# Altium PCB STM32MP25XXAK_LPDDR4_ascii.PcbDoc (part 3 of 5) (continued)
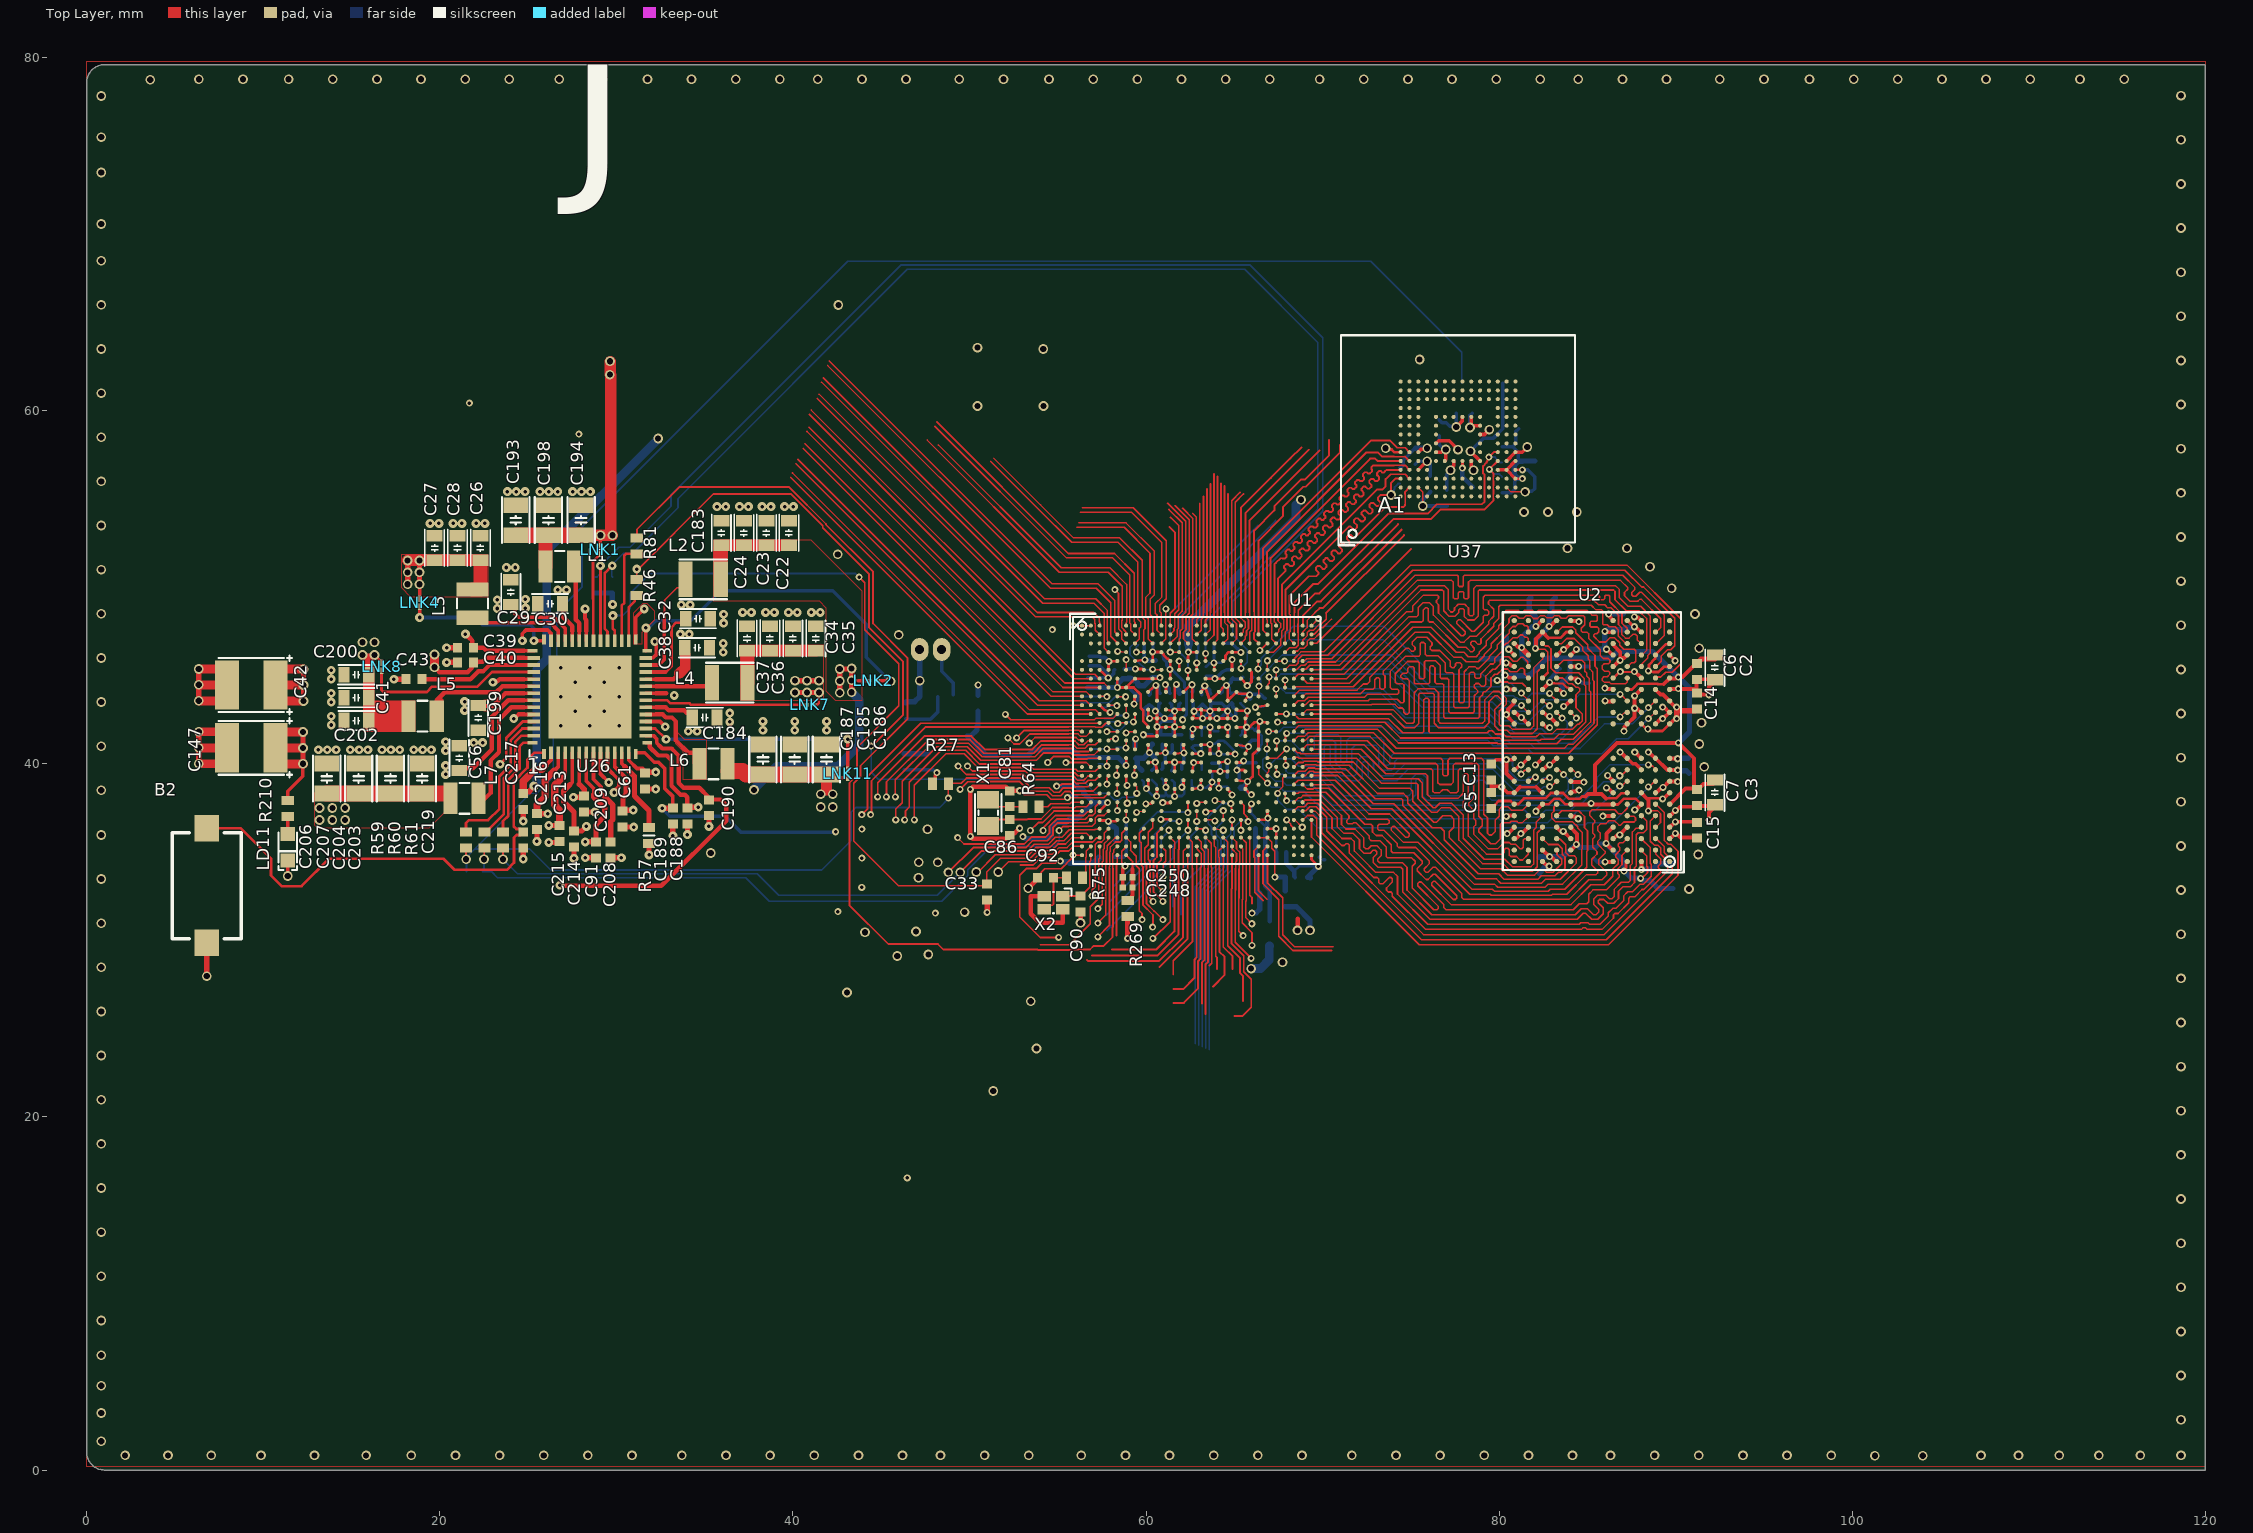
[diagram p0: Top Layer view]
## Nets (pads, with @x,y where several pads share a name; then routed paths per layer and width w, separated by ;. In a path a pad name is that pad's centre, name@x,y a point inside that pad or via, vN(x,y) a via of type N, cw(c..) or ccw(c..) an arc to the next point about the centre after c; other vN are vias at no path point) (continued)
  Top Layer w0.5: v1@6.353,40.006 C147.2@7.936,40.006 ; v1@6.353,40.906 C147.2@7.936,40.906 ; v1@6.353,41.818 C147.2@7.936,41.818 ; v1@6.353,43.568 C42.2@7.936,43.568 ; v1@6.353,44.468 C42.2@7.936,44.468 ; v1@6.353,45.38 C42.2@7.936,45.38
  Bottom Layer w0.1: C8.2@83.459,45.39 83.459,45.438 C8.2@83.461,45.44
  Bottom Layer w0.15: v2(59.931,45.892) v2@59.935,45.896 ; C57.1@62.592,39.603 62.683,39.694 62.683,40.058 v2(62.7,40.075) 63.066,40.075 63.154,39.987 C60.1@63.154,39.672 ; v2(62.875,45.725) 62.875,46.219 62.95,46.294 C195.1@62.95,46.787 ; C52.1@63.162,41.607 63.162,41.944 63.293,42.075 v2(63.625,42.075) 63.844,41.856 C53.1@64.083,41.856 ; C67.1@63.4,45.5 63.586,45.686 63.807,45.686 v2@63.859,45.738 ; v2(63.85,45.725) 64.278,45.725 C69.1@64.305,45.752 ; v2@63.85,45.775 C239.1@63.85,46.787 ; v2(64.625,42.075) 64.706,41.994 C54.1@64.706,41.579 ; 68.39,33.919 68.669,34.197 v2(69.768,34.197)
  Bottom Layer w0.2: v2(55.55,38.085) 55.663,38.198 C234.1@56.064,38.198 ; C237.1@56.696,44.88 C236.1@57.345,44.88 ; C192.1@56.8,45.55 C201.1@57.375,45.55 57.825,45.1 57.825,44.912 v2(57.862,44.875) 57.862,44.894 57.881,44.914 57.974,44.914 58.163,45.103 58.163,45.282 C197.1@58.216,45.334 ; C236.1@57.35,44.875 v2(57.862,44.875) ; C240.1@59.05,44.3 59.37,43.98 59.484,43.98 59.534,43.93 C220.1@59.534,43.856 ; v2(59.325,43.4) 59.325,43.408 59.534,43.617 59.534,43.781 C220.1@59.609,43.856 C220.1@59.534,43.931 ; v2@59.902,45.948 C205.1@59.902,46.829 ; C45.1@60.173,43.895 60.235,43.957 60.235,44.124 60.248,44.137 60.248,44.139 60.551,44.442 v2(60.558,44.442) ; C71.1@60.34,39.635 60.491,39.786 60.491,40.066 v2(60.525,40.1) ; v2@60.624,44.485 60.726,44.383 60.726,44.075 C51.1@60.813,43.988 ; C72.1@60.905,39.698 60.956,39.749 60.956,40.021 61.092,40.157 v2(61.092,40.638) ; C46.1@60.915,41.105 60.915,40.815 v2(61.092,40.638) ; v2@61.132,44.466 61.132,44.444 61.302,44.274 61.302,44.062 C49.1@61.377,43.987 ; C73.2@61.467,39.624 61.542,39.699 61.542,39.952 61.625,40.035 v2(61.625,40.089) ; C47.2@61.476,41.081 61.476,40.694 61.42,40.638 v2(61.092,40.638) ; C74.1@62.03,39.683 62.03,39.955 62.15,40.075 v2(62.15,40.625) 62.038,40.737 C48.1@62.038,41.107 ; C63.1@62.581,44.08 62.636,44.08 62.636,44.483 v2@62.625,44.494 ; C62.2@63.156,43.924 63.156,44.24 v2(63.328,44.412) 63.366,44.374 63.421,44.374 63.6,44.195 63.6,44.059 C65.2@63.675,43.984 ; C59.1@63.714,40.036 64.111,40.036 64.198,39.949 v2(64.198,39.575) ; C68.1@64.239,43.997 64.314,44.072 64.314,44.284 64.437,44.408 64.548,44.408 v2@64.586,44.446 ; C58.1@64.607,39.247 64.607,40.125 v2(64.625,40.143) ; C66.1@64.915,44.871 C66.1@64.84,44.796 ; C76.1@65.274,39.198 65.274,39.526 v2(65.15,39.65) 65.169,39.669 65.169,39.809 v2(65.53,40.17) 65.557,40.17 65.677,40.05 C77.2@66.25,40.05 ; C82.1@65.352,41.053 65.433,40.972 v2(65.806,40.972) 65.844,41.01 65.844,41.178 66.016,41.35 C75.1@66.205,41.35 ; C238.1@65.483,44.894 65.385,44.796 64.915,44.796 C66.1@64.84,44.796 ; R1.1@66.751,43.72 66.701,43.72 66.601,43.82 66.601,43.828 66.484,43.946 65.886,43.946 65.865,43.925 65.851,43.939 65.436,43.939 65.375,44 C64.1@64.85,44 64.804,44 64.8,43.996 64.725,44.071 64.725,44.307 v2@64.586,44.446 ; C118.1@75.26,56.98 75.425,57.145 v1(75.925,57.145) 76.11,56.96 C148.1@76.11,56.305 ; C9.1@76.615,59.48 76.77,59.325 77.008,59.325 77.208,59.126 77.529,59.126 v1(77.575,59.08) C117.1@77.575,59.864 ; C130.1@77.027,55.505 77.027,56.407 v1(77.25,56.63) ; v2(81.325,56.655) 81.615,56.655 C128.1@82.015,56.255 82.015,55.592 81.858,55.435 81.505,55.435 v1(81.475,55.405) ; v2@64.586,44.446 64.623,44.446 64.84,44.663 C66.1@64.84,44.796
  Bottom Layer w0.22: v4@82.825,44.749 82.814,44.76 83.291,45.236 83.291,45.295 83.386,45.39 C8.2@83.459,45.39 ; v4(82.86,44.615) 82.893,44.649 v4@82.893,44.777 ; v4(84.509,45.523) 84.511,45.525 C21.2@85.109,45.525
  Bottom Layer w0.25: C253.1@67.941,34.367 68.39,33.919 68.39,33.638 C251.1@68.44,33.588 ; C253.1@67.941,34.385 C246.1@67.941,34.986
  Bottom Layer w0.3: C88.1@46.382,43.465 46.439,43.522 46.897,43.522 47.189,43.814 CN12.2@47.189,46.897 ; C87.1@50.485,43.888 v2(50.485,44.466) ; v2(57.872,36.74) 57.891,36.721 57.891,36.682 58.133,36.44 58.216,36.44 C244.1@58.325,36.331 58.325,35.675 C235.1@58.275,35.625 ; C70.2@59.775,39.625 59.506,39.894 59.506,40.25 59.456,40.3 C225.1@59.425,40.3 59.451,40.326 59.886,40.326 v2(60.198,40.638) ; v2@59.902,45.948 59.931,45.919 v2(59.931,45.892) 59.958,45.892 60,45.85 C196.1@60.525,45.85 ; C44.2@60.351,41.105 60.217,40.971 60.217,40.657 v2(60.198,40.638) ; v2(60.525,40.1) 60.506,40.119 60.506,40.33 v2(60.198,40.638) ; v2(61.725,44.505) 61.725,44.478 61.75,44.453 61.75,44.284 61.875,44.159 61.875,44.025 C50.1@61.9,44 ; C55.1@62.6,41.475 62.604,41.479 62.604,41.901 62.65,41.948 v2(62.65,41.975) ; v2@65.889,43.718 v2@65.889,43.969 ; v2@65.984,31.527 v2(66.003,31.546) 66.023,31.565 66.243,31.565 66.449,31.771 66.449,32.645 66.258,32.836 66.258,34.855 66.2,34.914 C252.1@66.2,36.324 ; 69.301,33.541 69.259,33.583 69.16,33.583 69.75,34.173 69.769,34.192 69.788,34.173 v2@69.829,34.173 ; v1(75.5,62.9) v1@75.51,62.91 ; R42.1@78.986,45.955 80.087,45.955 80.287,45.754 v4@80.314,45.754 ; v4@81.241,46.521 81.279,46.559 C12.2@81.279,47.149 ; 81.28,46.368 81.299,46.349 81.299,46.152 81.604,45.847 C4.2@81.63,45.847 ; C12.2@81.311,47.18 C12.2@81.279,47.149 ; C10.1@81.786,49.415 81.709,49.338 81.709,48.715 82.025,48.399 C16.2@82.025,48.374 ; C16.2@81.984,48.415 C16.2@82.025,48.374 ; v4(82.085,47.79) 82.084,48.315 C16.2@82.025,48.374 ; v4@82.086,47.784 82.067,47.765 81.871,47.765 81.279,47.174 C12.2@81.279,47.149 ; C19.2@82.26,33.805 82.285,33.805 82.39,33.91 82.39,33.962 82.566,34.138 82.741,34.138 82.798,34.195 v4@82.833,34.195 ; v4@86.211,48.484 86.214,48.487 87.032,48.487 C17.2@87.036,48.49 ; v4@88.059,33.99 88.093,34.024 88.668,34.024 88.734,34.09 88.759,34.09 89.009,34.34 C11.1@89.834,34.34 ; v4@90.06,39.64 90.109,39.64 90.143,39.606 90.618,39.606 C20.2@90.759,39.465
  other v1: 101.286,0.805 104,0.805 2.175,0.83 4.6,0.83 7.05,0.83 9.875,0.83 12.9,0.83 15.825,0.83 18.386,0.83 20.886,0.83 23.386,0.83 25.886,0.83 28.386,0.83 30.886,0.83 33.711,0.83 36.211,0.83 38.711,0.83 41.211,0.83 43.711,0.83 46.211,0.83 48.361,0.83 50.861,0.83 53.361,0.83 56.336,0.83 58.836,0.83 61.336,0.83 63.836,0.83 66.336,0.83 68.836,0.83 71.661,0.83 74.161,0.83 76.661,0.83 79.161,0.83 81.661,0.83 84.161,0.83 86.311,0.83 88.811,0.83 91.311,0.83 93.811,0.83 96.311,0.83 98.811,0.83 107.3,0.83 109.425,0.83 111.725,0.83 113.975,0.83 116.325,0.83 118.625,0.83 0.825,1.625 118.625,2.85 0.825,3.225 0.825,4.775 118.625,5.35 0.825,6.5 118.625,7.85 0.825,8.475 118.625,10.35 0.825,10.975 118.625,12.85 0.825,13.475 118.625,15.35 0.825,15.975 118.625,17.85 0.825,18.475 118.625,20.35 0.825,20.975 51.35,21.475 118.625,22.85 0.825,23.475 53.8,23.875 118.625,25.35 0.825,25.975 53.467,26.55 43.063,27.05 118.625,27.85 0.825,28.475 67.73,28.759 45.909,29.117 47.672,29.202 118.625,30.35 44.087,30.462 46.975,30.5 0.825,30.975 49.725,31.6 118.625,32.85 90.755,32.906 0.825,33.475 47.112,33.546 11.387,33.648 47.125,34.425 48.2,34.42 91.285,34.865 35.35,34.945 118.625,35.35 0.825,35.975 47.625,36.3 118.625,37.85 0.825,38.5 91.617,39.829 6.348,40.014 118.625,40.35 6.348,40.914 0.825,41 91.339,41.128 6.348,41.814 91.467,42.332 118.625,42.85 0.825,43.5 6.348,43.576 6.348,44.476 47.189,44.713 118.625,45.35 6.348,45.376 0.825,46 91.339,46.544 45.995,47.305 118.625,47.85 0.825,48.5 91.101,48.492 89.772,49.948 118.625,50.35 0.825,51 88.551,51.167 42.535,51.865 83.87,52.208 87.25,52.216 118.625,52.85 0.825,53.5 81.406,54.265 82.774,54.265 84.406,54.265 118.625,55.35 0.825,56 118.625,57.85 0.825,58.5 50.45,60.275 54.195,60.275 118.625,60.35 0.825,61 118.625,62.85 0.825,63.5 54.175,63.5 50.45,63.575 118.625,65.35 0.825,66 42.575,65.995 118.625,67.85 0.825,68.5 118.625,70.35 0.825,70.575 118.625,72.85 0.825,73.5 118.625,75.35 0.825,75.5 0.825,77.825 118.625,77.85 3.6,78.75 6.35,78.775 8.85,78.775 11.436,78.775 13.936,78.775 16.436,78.775 18.936,78.775 21.436,78.775 23.936,78.775 26.761,78.775 29.261,78.775 31.761,78.775 34.261,78.775 36.761,78.775 39.261,78.775 41.411,78.775 43.911,78.775 46.411,78.775 49.425,78.775 51.925,78.775 54.511,78.775 57.011,78.775 59.511,78.775 62.011,78.775 64.511,78.775 67.011,78.775 69.836,78.775 72.336,78.775 74.836,78.775 77.336,78.775 79.836,78.775 82.336,78.775 84.486,78.775 86.986,78.775 89.486,78.775 92.5,78.775 95,78.775 97.586,78.775 100.086,78.775 102.586,78.775 105.086,78.775 107.586,78.775 110.086,78.775 112.911,78.775 115.411,78.775
  other v2: 46.475,16.55 48.075,31.55 42.551,31.633 43.9,33 43.902,34.655 43.902,36.305 65.87,43.91 64.55,44.448 61.1,44.49 62.606,44.48 54.694,47.6 27.875,58.675 21.675,60.437
  other v3: 24.722,34.61 27.6,34.64 24.725,36.76 20.325,40.75 13.124,40.798 13.625,40.798 14.126,40.798 14.924,40.798 15.425,40.798 15.926,40.798 16.724,40.798 17.225,40.798 17.726,40.798 18.524,40.798 19.025,40.798 19.526,40.798 21.924,41.202 22.425,41.202 20.325,41.25 38.304,41.9 40.104,41.9 41.904,41.9 26.85,42.15 28.5,42.15 30.15,42.15 13.85,42.2 36.42,42.375 38.304,42.401 40.104,42.401 41.904,42.401 13.85,42.7 36.42,42.875 27.675,42.975 29.325,42.975 13.85,43.5 26.85,43.8 28.5,43.8 30.15,43.8 33.28,43.875 13.85,44 27.675,44.625 29.325,44.625 13.85,44.8 13.85,45.3 26.85,45.45 28.5,45.45 30.15,45.45 36.05,46.325 36.05,46.825 36.075,47.975 36.075,48.475 37.15,48.575 37.65,48.575 38.45,48.575 38.95,48.575 39.75,48.575 40.25,48.575 41.05,48.575 41.55,48.575 24.85,48.823 24.85,49.323 23.775,51.123 24.276,51.123 19.45,53.623 19.951,53.623 20.75,53.623 21.251,53.623 22.05,53.623 22.551,53.623 35.7,54.575 36.2,54.575 36.975,54.575 37.475,54.575 38.25,54.575 38.75,54.575 39.525,54.575 40.025,54.575 23.824,55.425 24.325,55.425 24.826,55.425 25.674,55.425 26.175,55.425 26.676,55.425 27.524,55.425 28.025,55.425 28.526,55.425
  other v4: 88.06,34.015 82.83,34.2 89.985,36.065 84.485,36.89 80.41,37.02 85.885,37.04 88.46,37.34 89.985,37.365 89.26,38.015 84.535,38.515 90.11,39.64 82.86,39.94 81.235,39.945 86.86,40.665 88.46,40.665 81.26,42.625 89.26,43.215 90.16,44.265 88.46,45.265
HSE_IN: C90.2 U1.AG2 X2.1 | length 3.6
  Top Layer w0.1: X2.1@55.284,32.51 56.318,32.51 56.814,33.005 56.814,34.464 56.875,34.525 U1.AG2@56.875,34.825
HSE_OUT: R75.2 U1.AF2 | length 2
  Top Layer w0.09: 56.59,34.075 56.59,34.686 56.625,34.721 56.625,35.075 U1.AF2@56.875,35.325
  Top Layer w0.1: R75.2@56.409,33.546 56.59,33.727 56.59,34.075
I2C7.SCL: R261.1 U1.E15 U26.33 | length 74.8
  Top Layer w0.1: U1.E15@63.375,45.825 v2(63.375,46.25)
  Top Layer w0.15: U26.33@29.5,46.97 29.5,47.5 29.35,47.65 29.35,50.812 v3(29.763,51.225)
  Bottom Layer w0.1: R261.1@29.785,50.583 29.743,50.626 29.743,51.265 30.406,51.929 30.917,51.929 33.493,54.505 33.493,55.016 46.487,68.01 65.588,68.01 69.733,63.865 69.733,54.412 63.375,48.054 v2(63.375,46.25)
I2C7.SDA: R260.1 U1.E19 U26.34 | length 76.8
  Top Layer w0.125: U1.E19@65.375,45.825 65.375,45.44 v2@65.39,45.425
  Top Layer w0.15: U26.34@29.1,46.97 v3(29.1,51.225)
  Bottom Layer w0.1: R260.1@28.81,50.583 28.9,50.583 29.08,50.763 v3@29.08,51.228 ; v3@29.093,51.228 30.141,52.275 30.771,52.275 33.099,54.603 33.099,55.234 46.115,68.25 65.899,68.25 70.009,64.14 70.009,54.304 64.91,49.206 64.91,47.299 65.74,46.469 65.74,45.76 v2(65.39,45.41)
MP257_WAKEUP: U1.AF5 U26.32 | length 59.2
  Top Layer w0.09: 58.125,34.075 58.125,34.929 58.165,34.969 58.165,35.115 U1.AF5@58.375,35.325
  Top Layer w0.1: v2(43.751,50.58) 44.063,50.269 44.063,47.604 45.995,45.672 45.995,43.285 43.631,40.921 43.631,39.348 43.2,38.916 43.2,31.993 45.395,29.797 48.212,29.797 48.525,29.485 53.864,29.485 53.889,29.46 55.786,29.46 55.811,29.485 56.828,29.485 57.032,29.69 57.602,29.69 58.106,30.195 58.106,30.747 58.125,30.765 58.125,34.075
  Top Layer w0.15: v3(29.8,48.4) 29.8,47.653 29.9,47.553 U26.32@29.9,46.97
  Bottom Layer w0.1: v3@29.78,48.403 30.361,48.403 30.78,48.823 30.78,49.661 31.898,50.778 43.543,50.778 43.74,50.58 v2(43.751,50.58)
NetB2_2: B2.2 C219.2 U26.1 | length 28.3
  Top Layer w0.15: B2.2@6.795,36.354 8.721,36.354 10.438,34.637 10.438,33.673 11.036,33.075 12.162,33.075 13.713,34.625 20.219,34.625 20.845,33.999 23.799,33.999 24.2,34.4 24.2,35.825 24.347,35.972 24.554,35.972 C219.2@24.727,36.145 24.562,36.31 24.338,36.31 24.187,36.46 24.187,39.008 24.962,39.783 24.962,40.237 25.355,40.63 U26.1@25.9,40.63
NetC43_2: C43.2 U26.45 | length 6.7
  Top Layer w0.21: 24.775,45.6 U26.45@25.33,45.6
  Top Layer w0.25: C43.2@19.015,44.79 21.731,44.79 22.176,45.235 22.451,45.235 22.816,45.6 24.775,45.6
NetC81_1: C81.1 R64.2 X1.1 | length 2.1
  Top Layer w0.1: X1.1@51.059,37.975 51.459,37.575 C81.1@52.285,37.575 R64.2@53.035,37.575
NetC88_2: C88.2 D6.2 R66.2 | length 2.9
  Bottom Layer w0.2: C88.2@46.382,42.565 46.424,42.523 D6.2@47.673,42.523 47.792,42.523 48.192,42.923 R66.2@48.192,43.796
NetC92_1: C92.1 R75.1 X2.3 | length 2.9
  Top Layer w0.1: X2.3@54.234,31.76 54.461,31.987 54.694,31.987 54.759,32.052 C92.1@54.759,33.546 R75.1@55.509,33.546
NetC130_2: C130.2 C148.2 U37.C2 | length 3.5
  Top Layer w0.09: U37.C2@75.425,55.655 75.675,55.405 v1(75.675,54.605)
  Bottom Layer w0.25: C148.2@76.11,55.405 75.675,54.97 v1(75.675,54.605) C130.2@77.027,54.605
NetC151_2: C151.2 C252.2 C260.2 R11.2 U1.AB20 U1.AB22 U1.AC21 | length 9.2
  Top Layer w0.15: U1.AB20@65.875,37.325 65.875,37.607 65.95,37.682 v2@65.95,37.75 ; U1.AC21@66.375,36.825 66.8,36.825 v2@66.888,36.913
  Top Layer w0.16: U1.AB22@66.875,37.325 66.875,36.95 v2(66.9,36.925)
  Bottom Layer w0.15: v2(65.969,37.735) 65.95,37.716 65.95,37.205 66.167,36.988 66.167,36.95 66.367,36.75 66.466,36.75 66.821,36.395
  Bottom Layer w0.25: v2(66.9,36.925) 66.875,36.9 66.875,36.449 66.821,36.395 66.75,36.324 66.75,35.714 66.75,33.083 67,32.833 R11.2@67,31.075
NetC208_1: C208.1 U26.8 | length 5.4
  Top Layer w0.21: U26.8@28.7,40.63 28.7,39.134 29.125,38.709 29.125,38.345 29.298,38.172
  Top Layer w0.3: 29.298,38.172 29.8,37.67 29.8,36.843 29.675,36.718 C208.1@29.675,35.705
NetC225_2: C225.2 U1.R7 | length 1.1
  Top Layer w0.1: U1.R7@59.375,40.825 v2@59.375,41.41
  Bottom Layer w0.1: C225.2@59.375,40.95 C225.2@59.425,40.9
  Bottom Layer w0.3: C225.2@59.375,40.95 v2@59.375,41.41
  other v2: 59.41,41.41
NetC235_2: C235.2 C244.2 R267.1 U1.AB6 | length 3.2
  Top Layer w0.09: v2(58.875,36.825) U1.AB6@58.875,37.325
  Bottom Layer w0.2: R267.1@58.223,34.723 58.734,34.723 58.875,34.864 C235.2@58.875,35.625 C244.2@58.875,36.331 v2(58.875,36.825)
NetC251_2: C251.2 R286.2 U1.AE21 U1.AE22 | length 4.3
  Top Layer w0.09: U1.AE21@66.375,35.825 U1.AE22@66.875,35.825 ; U1.AE22@66.902,35.798 67.125,35.575 67.125,35.221 67.295,35.052 67.295,33.593 v2(67.3,33.588)
  Top Layer w0.1: U1.AE22@66.875,35.825 U1.AE22@66.902,35.798
  Bottom Layer w0.3: v2(67.3,33.588) C251.2@67.89,33.588 R286.2@67.89,32.815
NetCN12_1: CN12.1 R66.1 | length 3.2
  Bottom Layer w0.2: CN12.1@48.425,46.801 48.425,45.241 49.083,44.583 R66.1@49.083,43.917
NetD6_1: D6.1 R67.1 | length 1.4
  Bottom Layer w0.3: R67.1@46.3,40.575 47.625,40.575 D6.1@47.673,40.623
NetD7_1: D7.1 R248.1 U37.K5 | length 5.7
  Top Layer w0.2: v1(78.375,57.705) U37.K5@78.925,57.155
  Bottom Layer w0.2: v1(78.375,57.705) 79.125,58.455 79.682,58.455 R248.1@80.207,58.98 80.207,61.55 D7.1@80.195,61.563
NetL1_1: L1.1 U26.37 | length 4.2
  Top Layer w0.21: U26.37@27.9,46.97 27.9,47.525
  Top Layer w0.25: L1.1@27.7,51.135 27.7,48.173 27.9,47.973 27.9,47.525
NetL2_1: L2.1 U26.26 | length 6
  Top Layer w0.09: 32.725,48.56 32.725,49.26 33.433,49.968 33.56,49.968 33.915,50.323 L2.1@33.915,50.45
  Top Layer w0.2: U26.26@31.917,45.6 32.4,45.6 32.725,45.925 32.725,48.56
NetL3_1: L3.1 U26.40 | length 5.9
  Top Layer w0.15: L3.1@21.698,48.162 L3.1@21.85,48.01
  Top Layer w0.21: L3.1@21.85,48.275 22.135,47.99 23.91,47.99 26.265,47.99 26.7,47.555 U26.40@26.7,46.97
NetL4_1: L4.1 U26.23 | length 3.8
  Top Layer w0.15: L4.1@35.36,43.885 L4.1@35.36,44.4
  Top Layer w0.21: U26.23@31.67,44.4 32.225,44.4
  Top Layer w0.25: 32.225,44.4 35,44.4
NetL5_1: L5.1 U26.48 | length 7.2
  Top Layer w0.15: L5.1@19.618,42.448 L5.1@19.87,42.7 ; L5.1@20.09,42.585 L5.1@20.09,43.1
  Top Layer w0.21: 24.775,44.4 U26.48@25.33,44.4
  Top Layer w0.25: 19.825,43.6 20.275,44.05 23.2,44.05 23.55,44.4 24.775,44.4 ; L5.1@20.09,43.1 20.09,43.615
NetL6_1: L6.1 U26.19 | length 4.9
  Top Layer w0.21: U26.19@31.67,42.8 32.225,42.8
  Top Layer w0.25: 32.225,42.8 32.623,42.8 32.798,42.625 33.15,42.625 33.375,42.4 33.375,41.325 34.071,40.629 34.425,40.629 34.43,40.624 L6.1@34.43,40.025
NetL7_1: L7.1 U26.51 | length 7.4
  Top Layer w0.21: 24.775,43.2 U26.51@25.33,43.2
  Top Layer w0.25: L7.1@22.425,38.425 L7.1@22.425,38.669 ; L7.1@22.475,37.95 22.875,38.35 22.875,40.184 23.35,40.659 23.35,42.503 24.047,43.2 24.775,43.2
NetLD11_1: LD11.1 R210.2 | length 1
  Top Layer w0.2: LD11.1@11.386,36.022 R210.2@11.386,37.015
NetR1_2: R1.2 U1.K22 | length 1.6
  Top Layer w0.15: v2@66.201,43.202 U1.K22@66.875,43.325
  Bottom Layer w0.1: v2@66.201,43.2 66.671,43.2 R1.2@66.6,43.2
  Bottom Layer w0.15: v2@66.201,43.202 66.246,43.247 R1.2@66.6,43.247
  other v2: 66.2,43.205
NetR2_1: R2.1 U2.A5 | length 1.1
  Top Layer w0.22: v4@86.009,34.444 U2.A5@86.459,34.444
  Bottom Layer w0.22: R2.1@85.409,34.615 85.584,34.44 v4@86.009,34.44
  other v4: 86.01,34.45
NetR46_2: R46.2 U26.30 | length 2.8
  Top Layer w0.15: U26.30@30.7,46.97 30.7,48.87 31.032,49.202 31.032,49.43 R46.2@31.15,49.548
NetR57_2: R57.2 U26.12 | length 4.9
  Top Layer w0.21: U26.12@30.3,40.63 30.3,40.016 30.47,39.845
  Top Layer w0.3: 30.47,39.845 31.025,39.291 31.025,38.174 31.85,37.349 R57.2@31.85,36.4
NetR59_2: R59.2 U26.54 | length 8.5
  Top Layer w0.15: R59.2@21.48,36.145 21.48,36.64 21.65,36.81 22.736,36.81 23.375,37.449 23.375,39.298 24.012,39.935 24.012,41.335 24.677,42 U26.54@25.33,42
NetR60_2: R60.2 U26.55 | length 7.1
  Top Layer w0.15: R60.2@22.53,36.145 22.604,36.145 23.625,37.166 23.625,39.194 24.262,39.832 24.262,41.232 24.631,41.6 U26.55@25.33,41.6
NetR61_2: R61.2 U26.56 | length 6.1
  Top Layer w0.15: R61.2@23.58,36.145 23.58,36.76 23.875,37.055 23.875,39.091 24.512,39.728 24.512,40.985 24.727,41.2 U26.56@25.255,41.2
NetR81_2: R81.2 U26.31 | length 5.7
  Top Layer w0.15: U26.31@30.3,46.97 30.3,48.973 30.45,49.123 30.45,51.81 30.538,51.898 R81.2@31.163,51.898
NetTP21_1: TP21.1 U37.H5 | length 1.7
  Top Layer w0.15: v2(77.925,56.755) U37.H5@77.925,57.155
  Bottom Layer w0.25: v2(77.925,56.755) 77.925,56.256 TP21.1@78.516,55.665
NRST: C33.2 R81.1 U1.AE1 | length 49.7
  Top Layer w0.09: 55.444,35.457 55.812,35.825 U1.AE1@56.375,35.825
  Top Layer w0.1: R81.1@31.163,52.798 31.163,53.273 33.565,55.675 39.786,55.675 41.873,53.588 41.873,53.551 44.541,50.883 44.541,47.949 46.497,45.992 46.497,42.556 43.821,39.879 43.821,39.269 43.443,38.89 43.443,35.633 45.978,33.097 50.897,33.097 C33.2@51,33.2 50.975,33.225 50.975,33.875 51.758,34.658 53.449,34.658 53.863,35.073 54.632,35.073 55.016,35.457 55.444,35.457
NRSTC1MS: D7.2 R27.1 R59.1 R272.1 U1.W3 | length 123.2
  Top Layer w0.09: 56.11,38.46 57.01,38.46 U1.W3@57.375,38.825
  Top Layer w0.1: R59.1@21.48,35.245 21.475,35.24 21.475,34.625 v1@21.49,34.61 ; v2(48.805,38.061) R27.1@48.805,38.872 48.805,38.904 49.542,38.904 49.831,39.194 49.936,39.194 49.938,39.192 50.559,39.192 50.561,39.194 52.93,39.194 53.474,38.65 54.531,38.65 54.787,38.394 55.077,38.394 55.319,38.635 55.764,38.635 55.939,38.46 56.11,38.46
  Bottom Layer w0.1: R272.1@21.505,33.882 21.505,34.595 21.49,34.61 21.49,34.694 21.972,35.176 ; v2(48.805,38.061) 48.805,38.016 48.314,37.526 43.556,37.526 43.288,37.258 43.288,35.651 41.626,33.989 26.279,33.989 25.092,35.176 21.972,35.176 ; D7.2@77.88,61.563 77.88,63.32 72.735,68.465 43.114,68.465 28.049,53.4 28.049,50.003 26.618,48.572 26.618,45.92 26.431,45.733 26.431,39.267 25.501,38.337 25.133,38.337 21.972,35.176
  other v1: 21.49,34.6
OSC32_IN: C86.1 U1.AA2 X1.2 | length 6.4
  Top Layer w0.09: 55.625,37.525 56,37.525 56.05,37.575 56.625,37.575 U1.AA2@56.875,37.825
  Top Layer w0.1: X1.2@51.059,36.475 51.434,36.85 53.271,36.85 53.296,36.875 54.052,36.875 54.702,37.525 55.625,37.525
OSC32_OUT: R64.1 U1.AA1 | length 2.5
  Top Layer w0.09: 56.05,37.825 U1.AA1@56.375,37.825
  Top Layer w0.1: R64.1@53.935,37.575 54.436,37.575 54.597,37.735 55.695,37.735 55.784,37.825 56.05,37.825
PMIC_WAKEUPn: R46.1 U1.W7 | length 46.6
  Top Layer w0.09: U1.W7@59.375,38.825 59.375,38.802 59.475,38.702 v2(59.475,38.325)
  Top Layer w0.1: R46.1@31.15,50.448 31.15,50.942 35.501,55.293 39.879,55.293 41.683,53.488 41.683,53.37 44.316,50.738 44.316,47.708 46.24,45.785 46.24,42.779 44.461,41 v2(44.43,41)
  Bottom Layer w0.09: v2(44.43,41) 44.43,39.527 44.833,39.123 56.341,39.123 57.139,38.325 57.851,38.325 58.206,37.97 58.492,37.97 58.637,38.115 59.265,38.115 v2(59.475,38.325)
  other v3: 31.15,51.033
PWR_CPU_ON: R60.1 R272.2 U1.AB4 | length 40.2
  Top Layer w0.09: 55.627,36.457 56.927,36.457 57.125,36.655 57.125,36.929 57.271,37.075 57.625,37.075 U1.AB4@57.875,37.325
  Top Layer w0.095: 55.57,36.455 55.625,36.455
  Top Layer w0.1: v1(22.5,34.6) 22.514,34.614 22.514,35.229 R60.1@22.53,35.245 ; v2(55.077,36.225) 55.307,36.455 55.57,36.455
  Bottom Layer w0.1: R272.2@22.405,33.882 22.936,33.882 23.265,33.553 37.33,33.553 38.666,32.217 48.438,32.217 49.9,33.679 49.9,34.006 51.228,35.335 54.815,35.335 55.083,35.603 v2@55.083,36.219 ; R272.2@22.471,34.068 22.5,34.097 v1(22.5,34.6)
PWR_ON: R61.1 U1.AD3 | length 36.9
  Top Layer w0.09: 56.084,36.26 57.09,36.26 57.128,36.298 57.348,36.298 U1.AD3@57.375,36.325
  Top Layer w0.1: v1(23.575,34.6) 23.58,34.605 R61.1@23.58,35.245 ; v1(49.475,33.855) 50.678,35.058 53.276,35.058 53.671,35.453 54.474,35.453 54.865,35.844 55.241,35.844 55.659,36.262 56.082,36.262
  Bottom Layer w0.1: v1(23.575,34.6) 24.4,33.775 37.982,33.775 39.197,32.561 48.18,32.561 v1(49.475,33.855)
VBAT: C87.2 D6.3 U1.T6 | length 12.2
  Top Layer w0.15: v2@58.875,39.933 U1.T6@58.875,40.325
  Bottom Layer w0.3: C87.2@50.485,42.988 50.485,42.185 50.423,42.123 50.423,41.923 50.073,41.573 D6.3@49.873,41.573 50.976,40.471 53.326,40.471 53.642,40.788 55.87,40.788 56.299,40.358 58.427,40.358 v2@58.864,39.921 ; v2@58.831,39.889 v2@58.864,39.921 ; v2(58.875,39.91) v2@58.864,39.921 ; v2@58.875,39.933 v2@58.864,39.921
VDD1_DDR: C2.2 C3.2 C4.1 C5.1 C6.1 C7.1 C8.1 C40.2 U2.F1 U2.F12 U2.G4 U2.G9 U2.T4 U2.T9 U2.U1 U2.U12 U26.44 | length 153
  Top Layer w0.15: C5.1@79.559,37.48 79.584,37.48 C5.1@79.764,37.66 ; C5.1@79.765,37.66 79.765,37.68 79.979,37.894 80.659,37.894 80.859,37.694 80.888,37.723 81.088,37.723 81.415,38.05 82.641,38.05 82.936,38.345 83.277,38.345 83.28,38.348 83.628,38.348 83.945,38.032 84.577,38.032 84.698,38.153 84.893,38.153 ; 86.059,38.044 86.632,38.044 86.925,38.337 87.252,38.337 U2.G4@87.259,38.344 ; U2.T4@87.259,44.215 87.518,44.215 87.837,44.534 88.977,44.534 88.992,44.519 89.33,44.519
  Top Layer w0.2: v4(80.34,45.025) 80.421,45.025 80.56,44.886 80.839,44.886 U2.U12@80.86,44.865
  Top Layer w0.21: 24.775,46 U26.44@25.33,46
  Top Layer w0.22: U2.T9@83.26,44.215 83.275,44.2 83.415,44.2 83.625,43.99 v4(83.659,43.99) ; 84.893,38.153 85.034,38.294 85.44,38.294 ; 86.059,38.044 85.809,38.294 85.44,38.294 ; 89.33,44.519 89.655,44.844 89.659,44.844 90,44.844 90.075,44.919 90.384,44.919 91.159,45.694 C6.1@91.184,45.694 ; U2.F1@89.65,37.683 90.561,38.594 91.179,38.594 91.034,38.739 91.034,40.316 v4(90.16,41.19) ; v4@90.146,41.176 86.685,41.176 85.44,39.931 85.44,38.294 ; C7.1@91.21,38.54 91.355,38.685 C7.1@91.411,38.685 ; C7.1@91.41,38.685 91.588,38.863 92.127,38.863 C3.2@92.183,38.919
  Top Layer w0.25: v1(19.702,45.473) 19.975,45.2 21.575,45.2 21.82,45.445 21.82,45.635 21.935,45.75 C40.2@22.005,45.75 ; C40.2@22.01,45.635 22.165,45.79 22.44,45.79 22.65,46 24.775,46
  Top Layer w0.3: C6.1@91.184,45.694 C6.1@91.209,45.694 ; C6.1@91.208,45.694 91.458,45.944 C2.2@92.208,45.944
  Top Layer w0.5: v1(19.702,45.473) v1@19.702,46.196
  Signal Layer 2 w0.6: v1(19.7,46.198) 19.639,46.137 19.639,45.64 19.702,45.576 v1(19.702,45.473)
  Signal Layer 2 w0.7: v1(19.7,46.198) 18.818,47.08 18.238,47.08 16.598,45.44 15.323,45.44 14.898,45.865 14.898,52.74 21.708,59.55 66.223,59.55 76.132,49.641 88.493,49.641 90.622,47.513 90.622,46.853 90.614,46.844 90.614,46.244 90.622,46.235 90.622,45.57 90.16,45.108 v4(90.16,44.915)
  Bottom Layer w0.2: v4@80.341,45.019 v4@80.377,44.983 ; C4.1@81.593,44.983 C4.1@81.63,44.947
  Bottom Layer w0.22: C8.1@83.461,44.54 C8.1@83.481,44.54
  Bottom Layer w0.3: v4@80.377,44.983 C4.1@81.593,44.983 ; C4.1@81.63,44.947 81.734,45.052 81.788,45.052 82.721,45.985 84.006,45.985 84.018,45.985 ; C8.1@83.473,44.528 C8.1@83.485,44.54 ; C8.1@83.481,44.54 C8.1@83.485,44.54 ; v4(83.659,43.99) 83.59,44.059 83.59,44.435 C8.1@83.485,44.54 ; v4(90.16,41.19) 90.784,41.815 90.784,44.29 v4(90.16,44.915) ; v4@90.159,44.89 88.684,46.365 86.723,46.365 86.343,45.985 84.018,45.985 ; C8.1@83.485,44.54 83.59,44.645 83.694,44.645 84.018,44.969 84.018,45.985